# KiCad board Processor Board.kicad_pcb (continued)
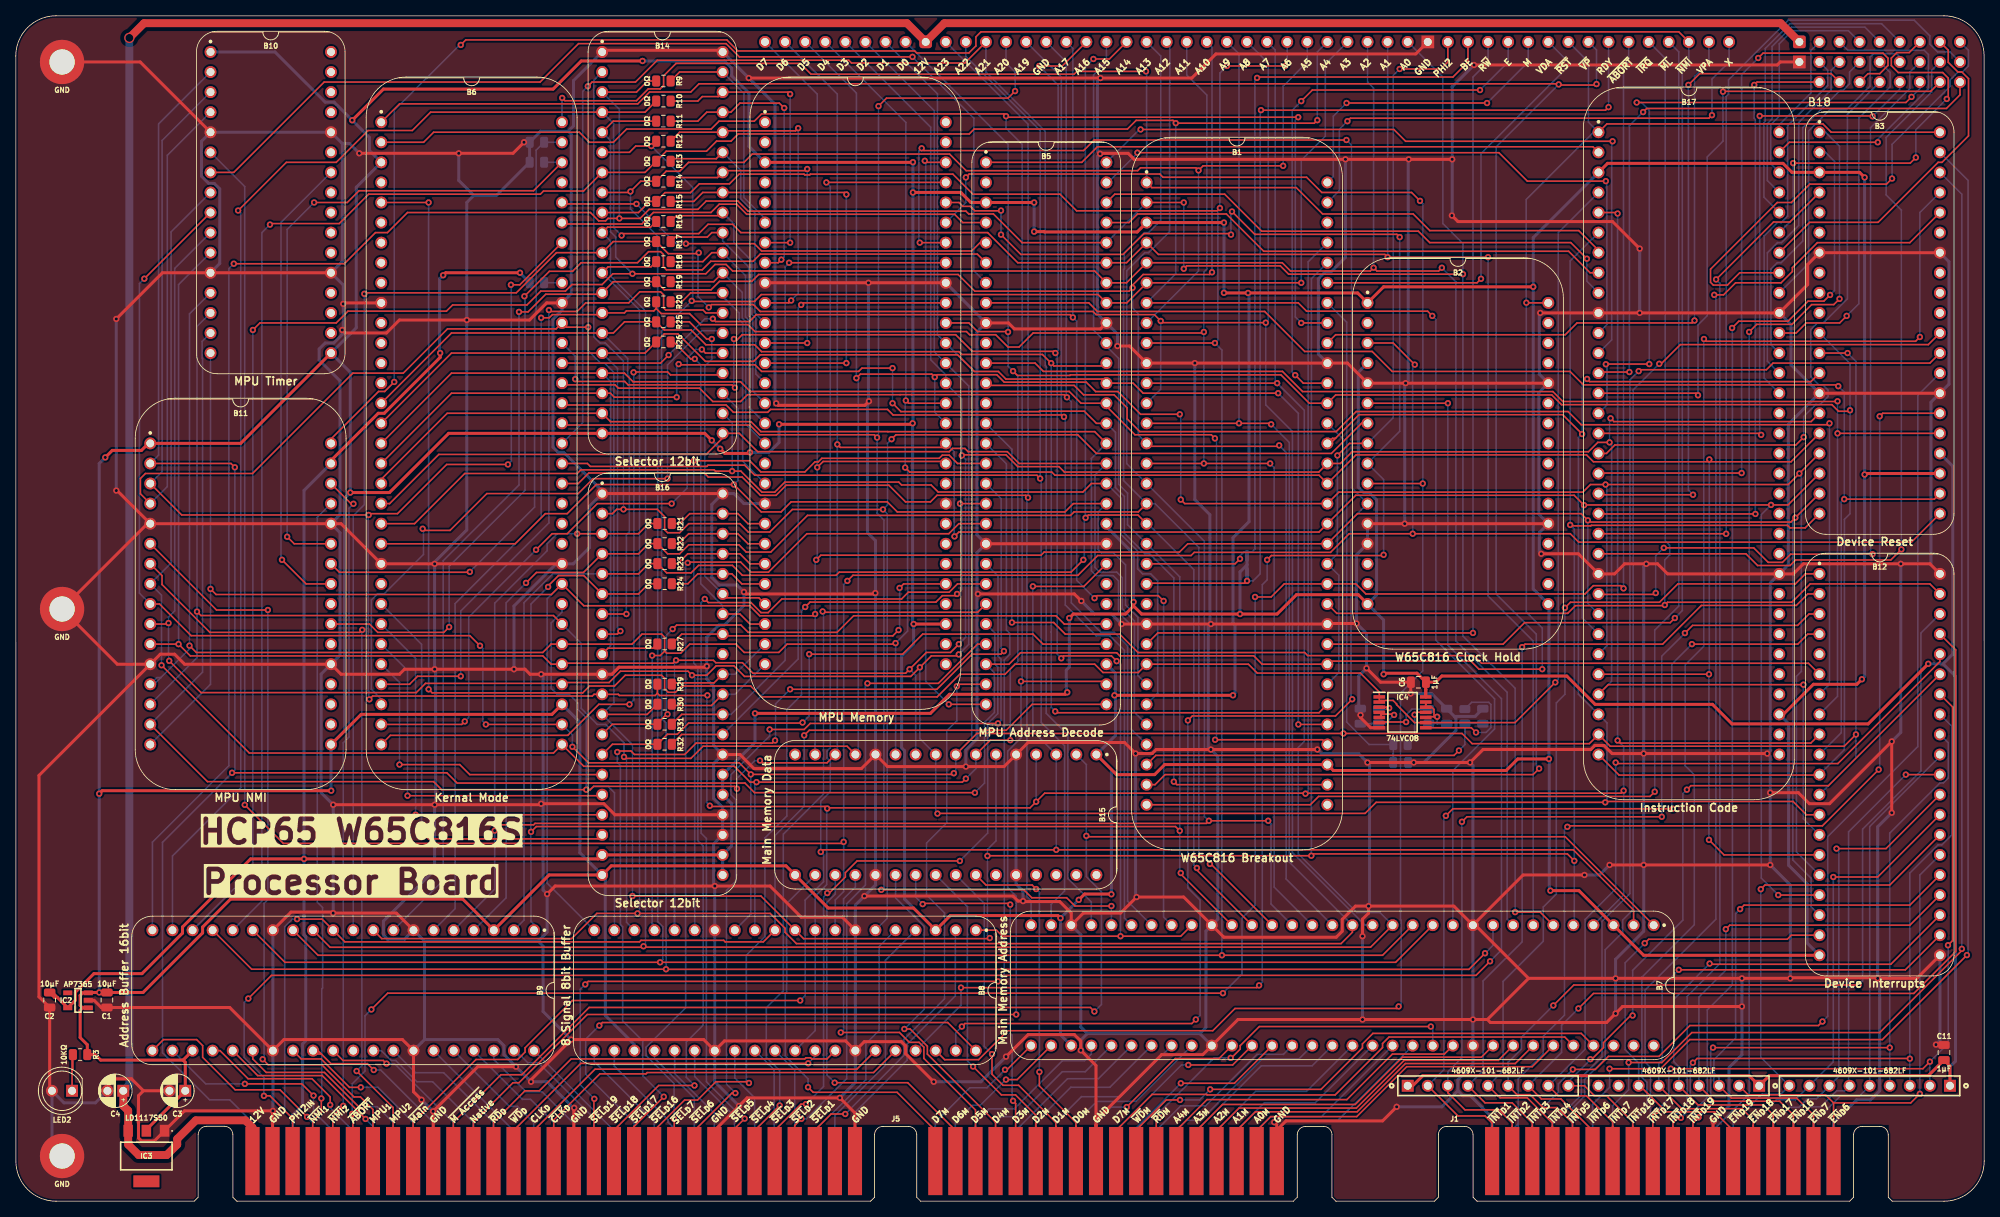
[diagram p0: board, top side]
## Routing (per net, layer and track width the routed paths; a pad name or vN(x,y) marks a point on that pad's centre or on a via; arc(x,y) is an arc through that point) (continued)
D3_{D}: length 13.2
  Bottom w0.2: 90.89,7.91 90.89,10.75 85.85,15.78 B8.26
D3_{M}: length 44.3
  Top w0.2: 126.45,8.73 126.45,12.37 v1(126.12,12.7) ; v1(114.69,37.59) 114.77,37.68 125.62,37.68 v1(125.76,37.53)
  Bottom w0.2: v1(114.69,37.59) 113.8,38.48 B15.23 ; v1(125.76,37.53) 125.76,21.25 125.99,21.02 125.99,12.83 v1(126.12,12.7)
D4_{D}: length 13
  Bottom w0.2: B8.25 83.31,16.16 88.35,11.13 88.35,8.1
D4_{M}: length 41.5
  Top w0.2: 123.91,7.53 123.91,9.99 115.28,18.62 115.28,19.61 113.1,21.79 v1(112.37,21.79)
  Bottom w0.2: v1(112.37,21.79) 114.89,24.31 114.89,34.75 111.26,38.38 B15.22
D5_{D}: length 16.1
  Bottom w0.2: B8.24 80.77,18.09 85.81,13.05 J5.A23
D5_{M}: length 45.9
  Top w0.2: 121.37,8.31 121.37,11.54 114.84,18.07 114.84,19.49 114.23,20.1 113,20.1 111.76,21.35 v1(104.33,21.35)
  Bottom w0.2: v1(104.33,21.35) 104.68,21.7 104.68,38.25 106.18,39.75 B15.20
D6_{D}: length 13
  Bottom w0.2: B8.22 75.69,17.09 82.49,10.29 82.49,9.98 83.27,9.21
D6_{M}: length 44.9
  Top w0.2: 118.83,8.96 112.8,14.99 v1(103.56,14.99)
  Bottom w0.2: B15.19 103.64,38.86 102.57,37.79 102.57,15.99 v1(103.56,14.99)
D7_{D}: length 17.1
  Bottom w0.2: J5.A21 80.73,10.08 73.15,17.66 B8.21
D7_{M}: length 48
  Top w0.2: 116.29,8.94 111.45,13.78 100.84,13.78 v1(100.19,14.43)
  Bottom w0.2: B15.18 97.48,37.65 97.48,26.47 97.31,26.3 97.31,18.36 100.19,15.48 v1(100.19,14.43)
H0_{D}: length 31.3
  Bottom w0.2: 106.13,8.17 106.13,11.26 112.72,17.85 112.72,19.87 118.83,25.99 118.83,34.25
H1_{D}: length 30.6
  Bottom w0.2: B8.4 109.98,30.48 109.98,17.21 103.59,10.82 103.59,7.95
H2_{D}: length 29.6
  Bottom w0.2: 101.05,8.98 103.11,11.04 103.19,11.04 107.5,15.36 107.5,19.92 109.17,21.59 109.17,32.21 B8.5
Kernal: length 4.8
  Bottom w0.2: 35.05,7.52 NT1.1 ; 35.01,9.87 35.01,7.48
MPU0: length 100.6
  Top w0.2: B11.7 18.49,79.16 18.49,78.03 24.55,71.97 43.5,71.97 v1(43.82,72.29) ; v1(43.1,16.47) 47.71,11.86 J5.B8
  Bottom w0.2: v1(43.82,72.29) 43.76,72.24 43.76,17.13 v1(43.1,16.47)
MPU1: length 98.6
  Top w0.2: v1(31.87,74.8) 25.38,74.8 B11.6 ; J5.B7 45.17,11.6 43.58,13.19 42.77,13.19 38.71,17.26 31.92,17.26 v1(31.22,17.96)
  Bottom w0.2: v1(31.22,17.96) 31.4,18.14 31.4,37.69 31.87,38.17 v1(31.87,74.8)
Native Latch: length 353.8
  Top w0.2: v1(162.19,137.16) 125.36,137.16 v1(125.23,137.29) 124.94,137.58 94.32,137.58 93.39,136.65 88.94,136.65 87.94,135.66 77.25,135.66 75.57,133.99 72.54,133.99 71.27,135.26 52.84,135.26 51.57,133.99 B6.2 ; 137.56,65.77 v1(127.12,65.77) ; J5.B12 57.87,9.98 62.87,14.99 63.63,14.99 72.27,23.62 v1(126.52,23.62) ; B1.57 v1(162.57,111.13)
  Bottom w0.2: v1(162.57,111.13) 161.82,111.88 161.82,136.79 v1(162.19,137.16) ; v1(126.52,23.62) 126.52,38.59 125.44,39.67 125.44,56.94 127.12,58.62 v1(127.12,65.77) 127.26,65.91 127.26,133.73 125.23,135.76 v1(125.23,137.29)
~{ABORT}: length 298.4
  Top w0.2: v1(152.66,26.32) 47.03,26.32 v1(44.97,24.26) ; v1(42.55,11.05) 42.63,10.97 J5.B6 ; v1(203.32,77.54) 202.97,77.89 199.51,77.89 198.46,76.84 170.74,76.84 169.47,78.11 B1.44 160.41,78.11 158.76,76.45 v1(156.73,76.45)
  Bottom w0.2: v1(44.97,24.26) 44.16,23.45 44.16,16.47 42.55,14.86 v1(42.55,11.05) ; v1(152.66,26.32) 155.08,28.73 155.08,35.81 156.73,37.47 v1(156.73,76.45) ; B13.44 203.97,144.15 203.32,143.5 v1(203.32,77.54)
~{CLK}_{D}: length 48.2
  Top w0.2: B8.36 108.48,16.27 79.85,16.27 79.69,16.11 73.86,16.11 68.03,10.28 68.03,8.94
~{Device}: length 156.5
  Top w0.2: v1(99.7,58.94) 100.35,59.59 125.25,59.59 128.53,62.87 137.78,62.87 ; B8.11 94.53,32.81 89.72,32.81 89.52,33.01 79.07,33.01 78.88,32.82 41.61,32.82 B9.11 38.73,35.69 v1(35.57,35.69)
  Bottom w0.2: v1(35.57,35.69) 34.96,35.69 34,34.73 34,11.39 32.47,9.86 32.47,9.11 ; B8.11 96.01,46.26 99.7,49.95 v1(99.7,58.94)
~{Enable}_{Device}1: length 56.8
  Bottom w0.2: 243.34,56.29 234.45,47.4 RN8.5 233.16,13.32 230.75,13.32 227.35,9.92 227.35,7.5
~{Enable}_{Device}2: length 58
  Top w0.2: B12.30 v1(239.02,53.98)
  Bottom w0.2: v1(239.02,53.98) 231.78,46.74 231.78,14.73 ; 224.81,7.5 224.81,9.92 226.83,11.94 228.25,11.94 230.29,13.97 231.28,13.97 RN8.6
~{Enable}_{Device}3: length 58
  Top w0.2: v1(230.26,44.62) 236.52,44.62 B12.29
  Bottom w0.2: 222.27,7.5 222.27,9.92 224.23,11.88 225.5,11.88 226.58,12.95 227.72,12.95 RN8.7 230.56,15.79 230.56,44.32 v1(230.26,44.62)
~{Enable}_{Device}4: length 55.9
  Top w0.2: B12.28 235.47,41.02 v1(229.86,41.02)
  Bottom w0.2: v1(229.86,41.02) 229.86,17.63 RN8.8 225.05,12.83 222.64,12.83 219.73,9.92 219.73,7.5
~{Enable}_{Device}5: length 63.3
  Top w0.2: v1(220.68,39.48) 221.21,40.01 236.99,40.01 B12.27
  Bottom w0.2: 217.19,7.5 217.19,9.92 220.83,13.56 223.24,13.56 RN8.9 220.68,18.21 v1(220.68,39.48)
~{Enable}_{Device}6: length 59.2
  Top w0.2: 229.89,12.44 239.65,12.44 v1(240.8,13.59) ; 229.89,12.44 229.89,8.76 ; 229.89,12.44 228.86,13.46 219.08,13.46 RN9.2
  Bottom w0.2: v1(240.8,13.59) 240.8,41.28 B12.26
~{Enable}_{Device}7: length 73
  Top w0.2: 227.35,9.93 J1.33 ; 227.35,9.93 227.35,8.95 ; 227.35,9.93 227.35,10.91 225.21,13.05 216.96,13.05 RN9.3 ; v1(218.07,36.96) 218.58,37.47 239.53,37.47 B12.25
  Bottom w0.2: 214.76,14.61 214.76,16.25 ; 214.76,16.25 215.4,15.61 RN9.3 ; 214.76,16.25 214.76,17.9 217.5,20.64 217.5,36.39 v1(218.07,36.96)
~{Enable}_{Device}16: length 70.4
  Top w0.2: 224.81,9.93 J1.31 ; 224.81,9.93 224.81,10.91 223.07,12.65 214.82,12.65 RN9.4 ; 224.81,9.93 224.81,8.94 ; v1(216.26,34.42) 216.77,34.93 239.53,34.93 B12.24
  Bottom w0.2: v1(216.26,34.42) 216.26,29.23 212.86,25.84 RN9.4
~{Enable}_{Device}17: length 69.6
  Top w0.2: 222.27,9.93 222.27,8.94 ; 222.27,9.93 222.27,10.91 221.01,12.18 212.75,12.18 RN9.5 ; 222.27,9.93 J1.29 ; B12.23 237.13,29.98 214.3,29.98 v1(214.21,30.07)
  Bottom w0.2: RN9.5 210.32,17.02 209.68,17.66 209.68,25.53 v1(214.21,30.07)
~{Enable}_{Device}18: length 70.2
  Top w0.2: 219.73,9.61 219.73,8.94 ; 219.73,9.61 J1.27 ; 219.73,9.61 219.73,10.28 218.3,11.7 210.68,11.7 RN9.6 ; v1(210.31,29.28) 238.96,29.28 B12.22
  Bottom w0.2: RN9.6 207.78,17.44 208.21,17.86 208.21,27.17 v1(210.31,29.28)
~{Enable}_{Device}19: length 56.4
  Top w0.2: B12.19 224.54,33.66 224.04,33.15 206.51,33.15 v1(206,32.64) ; 217.19,8.95 214.83,11.3 208.7,11.3 205.4,14.61
  Bottom w0.2: v1(206,32.64) 203.52,30.16 203.52,19.18 205.24,17.46 RN9.7
~{Interrupt}_{Device}1: length 118.1
  Top w0.2: B12.4 226.63,71.76 225.36,70.49 v1(211.97,70.49) ; 186.71,9.42 J1.1 ; 186.71,9.42 186.71,9.9 185.82,10.79 182.39,10.79 RN7.2 ; 186.71,9.42 186.71,8.95 ; v1(209.56,49.66) 181.75,49.66 v1(180.86,48.77)
  Bottom w0.2: v1(209.56,49.66) 209.43,49.78 209.43,67.95 v1(211.97,70.49) ; RN7.2 180.6,16.64 180.6,48.51 v1(180.86,48.77)
~{Interrupt}_{Device}2: length 118
  Top w0.2: v1(208.16,48.64) 183.52,48.64 v1(182.89,48.01) ; 189.25,9.44 189.25,8.98 ; 189.25,9.44 189.25,9.44 J1.3 ; 189.25,9.44 189.25,9.9 187.59,11.56 183.27,11.56 181.11,13.72 RN7.3 ; B12.3 226.78,74.3 225.34,72.86 212.06,72.86 v1(211.08,71.88)
  Bottom w0.2: v1(211.08,71.88) 208.16,68.96 v1(208.16,48.64) ; v1(182.89,48.01) 182.89,18.16 181.11,16.38 RN7.3
~{Interrupt}_{Device}3: length 114.1
  Top w0.2: v1(190.5,70.1) 190.88,70.49 208.27,70.49 213.17,75.38 225.17,75.38 226.63,76.84 B12.2 ; RN7.4 185.81,12.45 189.24,12.45 191.79,9.9 191.79,9.42 ; 191.79,9.42 J1.5 ; 191.79,9.42 191.79,8.94
  Bottom w0.2: v1(190.5,70.1) 190.5,32.8 185.56,27.87 185.56,16.52 RN7.4
~{Interrupt}_{Device}4: length 113.9
  Top w0.2: 194.33,9.41 194.33,9.9 191.14,13.08 187.71,13.08 RN7.5 ; 194.33,9.41 J1.7 ; 194.33,9.41 194.33,8.93 ; v1(195.92,75.08) 196.62,75.78 207.87,75.78 210.19,78.11 225.05,78.11 226.32,79.38 B12.1
  Bottom w0.2: RN7.5 188.09,16.5 188.09,27.81 193.18,32.89 193.18,37.22 194.83,38.88 194.83,63.05 195.92,64.14 v1(195.92,75.08)
~{Interrupt}_{Device}5: length 115.9
  Top w0.2: v1(233.05,27.35) 197.03,27.35 v1(194.45,24.77) ; RN7.6 189.85,13.48 191.51,13.48 193.14,11.85 194.92,11.85 196.87,9.9 196.87,7.49
  Bottom w0.2: B12.38 240.94,71.9 240.94,54.45 233.56,47.07 233.56,27.86 v1(233.05,27.35) ; RN7.6 188.73,17.57 190.41,19.25 190.41,20.73 v1(194.45,24.77)
~{Interrupt}_{Device}6: length 114.6
  Top w0.2: RN7.7 192.94,12.94 195.41,12.94 199.41,8.94 ; B12.37 245.33,69.76 245.33,31.59 240.03,26.29 199.53,26.29 v1(197.62,24.38)
  Bottom w0.2: v1(197.62,24.38) 195.49,22.25 195.49,18.83 RN7.7
~{Interrupt}_{Device}7: length 108
  Top w0.2: 201.95,9.49 201.95,10.02 198.64,13.34 195.08,13.34 RN7.8 ; 201.95,9.49 201.95,9.49 J1.13 ; 201.95,9.49 201.95,8.95 ; B12.36 243.34,68.28 230.43,55.37 202.46,55.37 v1(202.33,55.5)
  Bottom w0.2: 193.85,14.61 194.36,15.12 ; 194.36,15.12 198.46,19.22 198.46,35.64 202.33,39.51 v1(202.33,55.5) ; 194.36,15.12 194.33,15.12 RN7.8
~{Interrupt}_{Device}16: length 97
  Top w0.2: RN7.9 198.38,14.61 199.65,13.34 201.18,13.34 204.49,10.02 204.49,9.49 ; 204.49,8.95 204.49,9.49 ; 204.49,9.48 J1.15 ; v1(204.48,23.5) 204.22,23.5 200.79,20.06 200.79,19.44 199.32,17.97 v1(199.13,17.97) ; B12.35 229.24,52.58 211.84,52.58 v1(211.34,52.07)
  Bottom w0.2: v1(204.48,23.5) 204.48,29.21 210.83,35.56 210.83,51.56 v1(211.34,52.07) ; v1(199.13,17.97) 199.13,17.91 196.35,15.12
~{Interrupt}_{Device}17: length 94.2
  Top w0.2: B12.34 244.93,62.54 244.93,32.96 v1(244.36,32.39) ; v1(209.3,16.76) 241.18,16.76 v1(242.07,17.65) ; 207.03,8.01 207.03,10.94 v1(207.51,11.43)
  Bottom w0.2: v1(207.51,11.43) 209.05,12.97 209.05,16.51 v1(209.3,16.76) ; RN8.2 v1(242.07,17.65) 244.39,19.97 244.39,32.35 v1(244.36,32.39)
~{Interrupt}_{Device}18: length 92
  Top w0.2: 209.57,9.42 209.57,9.92 210.19,10.54 v1(210.57,10.54) ; 209.57,9.42 209.57,8.93 ; 209.57,9.42 J1.19 ; v1(239.53,18.03) 239.5,18.06 212.63,18.06 v1(212.1,17.53)
  Bottom w0.2: v1(210.57,10.54) 211.77,11.74 211.77,17.2 v1(212.1,17.53) ; RN8.3 v1(239.53,18.03) 239.53,41.51 243.1,45.09 243.59,45.09 244.82,46.32 244.82,60.12 B12.33
~{Interrupt}_{Device}19: length 83.6
  Top w0.2: v1(236.99,19.43) v1(214.64,19.43) ; 212.11,7.49 212.11,9.9 v1(212.81,10.6)
  Bottom w0.2: v1(212.81,10.6) 214.35,12.15 214.35,19.14 v1(214.64,19.43) ; RN8.4 v1(236.99,19.43) 236.99,46.57 243.34,52.92 243.78,52.92 244.4,53.55 244.4,57.99 B12.32
~{Main Access}: length 198.9
  Top w0.2: B7.1 195.95,46.11 135.51,46.11 v1(135.39,46.23) ; v1(136.41,24) 135.9,24.51 72.5,24.51 64,16 61.35,16 55.33,9.98 55.33,8.99
  Bottom w0.2: v1(136.41,24) 137.3,24.89 137.3,39.16 135.39,41.06 v1(135.39,46.23) 135.39,55.25 B15.2
~{Main}: length 330.7
  Top w0.2: v1(99.2,25.39) 70.39,25.39 64.4,19.41 64.4,18.86 63.47,17.93 58.2,17.93 50.25,9.98 50.25,8.97 ; v1(128.62,77.79) 135.08,77.79 B5.36 ; v1(101.8,44.2) 102.07,44.46 v1(131.58,44.46) 196.97,44.46 204.6,36.84 B7.2 ; B4.53 v1(102.51,128.91)
  Bottom w0.2: v1(131.58,44.46) B15.3 128.62,59.47 v1(128.62,77.79) ; v1(99.2,25.39) 99.82,26.02 99.82,38.09 102.15,40.42 102.15,43.85 v1(101.8,44.2) 101.8,50.61 103,51.82 103,55.67 102.59,56.08 102.59,56.95 103,57.36 103,128.41 v1(102.51,128.91)
~{NMI}_{1}: length 80.8
  Top w0.2: 37.55,8.98 37.55,10.11 38.64,11.2 v1(38.64,13)
  Bottom w0.2: B11.29 38.13,86.53 38.13,37.83 38.8,37.16 38.8,26.98 38.69,26.88 38.69,13.06 v1(38.64,13)
~{NMI}_{2}: length 88
  Top w0.2: J5.B5 40.09,10.74 v1(41.41,12.07) ; v1(42.7,88.24) 42.41,88.24 39.94,90.71
  Bottom w0.2: v1(41.41,12.07) 41.41,58.01 42.14,58.73 42.14,87.68 v1(42.7,88.24)
~{RD}_{D}: length 48.1
  Top w0.2: B8.33 102.58,18 100.65,18 100.5,18.15 99.92,18.15 99.78,18 70.24,18 66.21,13.97 64.4,13.97 60.41,9.98 60.41,8.94
~{RD}_{M}: length 63.5
  Top w0.2: B7.60 195.89,20.77 173.67,20.77 172.85,19.95 172.85,19.44 166.85,13.45 150.68,13.45 150.61,13.51 143.7,13.51 139.15,8.96
~{Reset}: length 473.4
  Top w0.2: 166.26,68.33 184.03,68.33 185.04,67.32 v1(193.05,67.32) ; B1.40 157.62,67.95 156.55,69.01 139.61,69.01 139.22,69.4 127.06,69.4 125.61,67.95 B5.26 ; v1(121.29,51.69) 93.43,51.69 92.21,52.91 55.81,52.91 54.52,54.21 v1(27.35,54.21) ; v1(191.03,113.68) 191.05,113.67 B2.32 ; v1(27.7,92.86) 27.21,93.35 B11.2 ; B17.1 201.21,136.31 228.54,136.31 229.59,135.26 B3.40
  Bottom w0.2: v1(27.7,92.86) 27.7,54.56 v1(27.35,54.21) 18.55,45.41 18.55,18.78 24.5,12.83 27.06,12.83 29.93,9.96 29.93,9.08 ; 199.53,135.26 191.02,126.75 191.02,113.7 v1(191.03,113.68) 191.03,74.53 193.05,72.52 v1(193.05,67.32) ; B5.26 123.77,66.87 123.77,61.84 122.51,60.58 122.51,52.91 v1(121.29,51.69) ; B10.2 18.06,136.31 18.06,94.4 B11.2 ; B13.41 198.89,144.15 198.89,136.53 199.84,135.57
~{Reset}_{Device}1: length 138.6
  Top w0.2: v1(219.21,109.98) 220.17,110.95 224.62,110.95 227.12,113.45 229.91,113.45 v1(230.64,114.17)
  Bottom w0.2: v1(230.64,114.17) 230.64,133.48 228.86,135.26 B3.1 ; 214.65,8.99 219.21,13.55 v1(219.21,109.98)
~{Reset}_{Device}2: length 138.6
  Top w0.2: v1(217.05,110.49) 217.91,111.35 224.13,111.35 226.67,113.89 228.66,113.89 v1(229.45,114.67)
  Bottom w0.2: v1(217.05,110.49) 217.09,110.45 217.09,27.38 213.91,24.2 213.91,13.12 212.11,11.31 212.11,7.59 ; v1(229.45,114.67) 230.01,115.23 230.01,131.57 228.86,132.72 B3.2
~{Reset}_{Device}3: length 129.1
  Top w0.2: B3.4 224.36,123.89 222.3,123.89 v1(215.03,116.63)
  Bottom w0.2: v1(215.03,116.63) 215.51,116.15 215.51,30.06 211.37,25.92 211.37,12.4 209.57,10.6 209.57,7.84
~{Reset}_{Device}4: length 144.4
  Top w0.2: B3.36 239.53,121.29 227.84,121.29 224.68,118.12 224.68,117.63 223.25,116.21 217.5,116.21 215.97,114.68 v1(214.8,114.68)
  Bottom w0.2: 207.03,7.58 207.03,10.07 206.73,10.37 206.73,16.93 206.05,17.61 206.05,26.72 215.01,35.68 215.01,114.47 v1(214.8,114.68)
~{Reset}_{Device}5: length 153.7
  Top w0.2: v1(213.5,109.09) 213.78,108.81 240.26,108.81 v1(240.8,109.35)
  Bottom w0.2: B3.37 240.8,125.1 v1(240.8,109.35) ; 204.49,7.63 204.49,10.17 206.29,11.97 206.29,15.04 205.65,15.68 205.65,28.35 212.27,34.98 212.27,53.95 211.12,55.1 211.12,67.85 213.47,70.21 213.47,109.07 v1(213.5,109.09)
~{Reset}_{Device}6: length 157.4
  Top w0.2: v1(203.97,17.54) 208.17,17.54 211.97,21.34 235.72,21.34 246.11,31.72 v1(246.11,31.93)
  Bottom w0.2: v1(203.97,17.54) 203.97,14.1 201.95,12.08 201.95,8.58 ; v1(246.11,31.93) 246.11,127.41 B3.38
~{Reset}_{Device}7: length 163.2
  Top w0.2: v1(201.56,16.76) 208.02,16.76 211.7,20.45 236.06,20.45 v1(246.75,31.14)
  Bottom w0.2: v1(246.75,31.14) 246.9,31.29 246.9,129.16 B3.39 ; v1(201.56,16.76) 201.56,14.39 199.41,12.25 199.41,8.66
~{Reset}_{Device}16: length 139.2
  Top w0.2: B3.30 241.87,108.38 210.51,108.38 208.08,105.96 v1(207.84,105.96)
  Bottom w0.2: 196.87,8.42 196.87,11.76 198.4,13.29 198.4,15.4 201,18 201,31.82 203.22,34.04 203.22,35.57 204.54,36.89 204.54,102.65 v1(207.84,105.96)
~{Reset}_{Device}17: length 141.2
  Top w0.2: B3.29 242.07,106.05 222.24,106.05 221.39,105.2 205.41,105.2 v1(205.24,105.03)
  Bottom w0.2: v1(205.24,105.03) 204.14,103.93 204.14,38.94 200.6,35.4 200.6,18.28 198,15.68 198,13.46 194.33,9.79 194.33,7.43
~{Reset}_{Device}18: length 133.3
  Top w0.2: v1(196.91,16.67) 199.76,16.67 201.41,18.33 207.82,18.33 211.72,22.23 227.97,22.23 v1(228.48,22.73)
  Bottom w0.2: v1(196.91,16.67) 195.08,14.84 195.08,13.78 191.79,10.49 191.79,7.78 ; B3.28 240.54,101.97 240.54,57.53 229.15,46.14 229.15,23.4 v1(228.48,22.73)
~{Reset}_{Device}19: length 140.1
  Top w0.2: v1(196.22,47.37) 196.35,47.5 228.48,47.5 v1(235.59,54.61) ; v1(235.72,99.31) 236.1,99.7 B3.26
  Bottom w0.2: v1(235.59,54.61) 235.72,54.74 v1(235.72,99.31) ; v1(196.22,47.37) 195.85,47 195.85,23.54 193.17,20.85 193.17,18.64 190,15.47 190,9.79 ; 190,9.79 189.25,9.04 ; 190,9.79 190,5.83
~{Select}_{Device}1: length 70.3
  Top w0.2: B5.27 119.26,65.41 v1(119.01,65.15) ; v1(104.9,11.04) 103.11,11.04 101.05,8.98
  Bottom w0.2: v1(104.9,11.04) 112.31,18.45 112.31,20.47 117.45,25.61 117.45,36.48 115.18,38.75 115.18,45.32 117.74,47.88 117.74,59.52 119.01,60.79 v1(119.01,65.15)
~{Select}_{Device}2: length 79.4
  Top w0.2: v1(107.7,65.53) 116.67,65.53 121.63,70.49 B5.25 ; v1(99.35,10.43) 98.51,9.59 98.51,7.33
  Bottom w0.2: v1(99.35,10.43) 99.99,10.43 105.08,15.52 105.08,37.64 107.45,40.01 107.45,65.27 v1(107.7,65.53)
~{Select}_{Device}3: length 84.5
  Top w0.2: v1(102.62,38.99) 102.88,38.99 104.91,41.02 104.91,41.56 106.4,43.05 v1(119.39,43.05) ; v1(99.92,12.28) 99.3,12.28 95.97,8.95
  Bottom w0.2: B5.24 123.81,71.9 123.81,67.96 124.19,67.59 124.19,61.7 122.91,60.42 122.91,46.58 v1(119.39,43.05) ; v1(99.92,12.28) 102.16,14.51 102.16,38.52 v1(102.62,38.99)
~{Select}_{Device}4: length 91.9
  Top w0.2: 93.43,8.94 v1(96.6,12.11) ; v1(102.04,74.62) 102.14,74.52 121.64,74.52 B5.23
  Bottom w0.2: v1(102.04,74.62) 102.15,74.51 102.15,51.53 97.07,46.45 97.07,26.63 94.92,24.48 94.92,18.21 96.6,16.53 v1(96.6,12.11)
~{Select}_{Device}5: length 107.9
  Top w0.2: 90.89,9.16 v1(92.17,10.45) ; B5.22 119.09,78.11 118.04,77.06 112.88,77.06 112.02,76.2 96.87,76.2 95.14,74.48 94.25,74.48 92.98,75.75 87.58,75.75 v1(87.13,76.2)
  Bottom w0.2: v1(92.17,10.45) 92,10.45 87.34,15.12 87.34,45.89 86.66,46.57 86.66,75.73 v1(87.13,76.2)
~{Select}_{Device}6: length 106.7
  Top w0.2: 85.81,8.93 90.56,13.68 v1(91,13.68) ; v1(124.21,60.45) 100.47,60.45 99.7,59.69 v1(95.33,59.69)
  Bottom w0.2: B5.21 124.21,79.12 124.21,68.96 124.59,68.58 124.59,60.83 v1(124.21,60.45) ; v1(91,13.68) 89.88,14.8 89.88,39.32 91.04,40.49 91.04,50.83 90.44,51.42 90.44,53.97 95.33,58.85 v1(95.33,59.69)
~{Select}_{Device}7: length 120.2
  Top w0.2: v1(84.97,80.77) 85.06,80.87 91.67,80.87 92.94,79.6 95.18,79.6 100.04,84.46 117.99,84.46 119.26,85.73 B5.19 ; J5.B22 83.27,10.39 v1(83.25,10.42)
  Bottom w0.2: v1(83.25,10.42) 83.25,14.88 79.7,18.42 79.7,19.48 84.71,24.48 84.71,80.51 v1(84.97,80.77)
~{Select}_{Device}16: length 113
  Top w0.2: v1(92.72,14.96) 92.56,15.11 88.53,15.11 86.21,12.8 84.58,12.8 80.73,8.95 ; B5.18 v1(119.41,88.27) ; v1(99.83,75.18) 100.45,75.8 116.36,75.8 117.18,76.62 118.82,76.62 v1(119.04,76.83)
  Bottom w0.2: v1(99.83,75.18) 99.36,74.71 99.36,64.05 97.51,62.2 97.51,48.74 94.74,45.97 94.74,33.46 92.4,31.12 92.4,15.28 v1(92.72,14.96) ; v1(119.41,88.27) 119.65,88.03 119.65,77.45 v1(119.04,76.83)
~{Select}_{Device}17: length 135.1
  Top w0.2: v1(97.93,64.77) 116.49,64.77 120.93,69.22 124.58,69.22 v1(124.96,69.6) ; v1(76.07,56.83) 76.2,56.97 77.79,56.97 78.23,56.53 84.6,56.53 86.04,57.97 95.69,57.97 v1(96.02,58.29) ; v1(81.94,13.22) 78.19,9.47 J5.B20
  Bottom w0.2: v1(76.07,56.83) 76.07,55.51 76.46,55.12 76.46,35.01 76.74,34.73 76.74,22.81 79.28,20.27 79.28,15.88 v1(81.94,13.22) ; v1(124.96,69.6) 124.61,69.95 124.61,88.88 B5.17 ; v1(97.93,64.77) 96.08,62.93 96.08,58.36 v1(96.02,58.29)
~{Select}_{Device}18: length 132.2
  Top w0.2: B5.16 119.09,93.35 118.04,94.4 117.18,94.4 116.78,94 101.94,94 101.49,93.55 101.06,93.55 99.79,92.27 94.22,92.27 92.81,93.69 v1(85.73,93.69) ; v1(85.83,14.64) 81.3,14.64 75.65,8.99
  Bottom w0.2: v1(85.73,93.69) 85.73,68.07 86.26,67.54 86.26,45.59 86.92,44.94 86.92,22.27 84.8,20.14 84.8,15.67 v1(85.83,14.64)
~{Select}_{Device}19: length 145.7
  Top w0.2: v1(73.16,12.95) 73.11,12.9 J5.B18 ; v1(72.02,27.43) 72.4,27.81 v1(124.21,27.81)
  Bottom w0.2: B5.15 125.27,93.3 125.27,72.26 125.71,71.82 125.71,69.19 125.01,68.49 125.01,28.61 v1(124.21,27.81) ; v1(72.02,27.43) 71.38,26.8 71.38,14.73 v1(73.16,12.95)
~{WD}_{D}: length 42.8
  Top w0.2: 62.95,8.94 71.45,17.44 v1(100.21,17.44)
  Bottom w0.2: v1(100.21,17.44) 101.09,18.32 B8.32
~{WD}_{M}: length 63.8
  Top w0.2: 141.69,9.01 145.5,12.81 v1(147.23,12.81) ; 199.52,19.69 197.97,21.23 171.63,21.23 170.31,19.91 170.31,19.4 165.06,14.15 v1(151.05,14.15)
  Bottom w0.2: v1(151.05,14.15) 149.71,12.81 v1(147.23,12.81)
Net-(IC4-1Y): length 2.7
  Top w0.2: IC4.3 173.57,62.51 v1(173.68,62.4)
  Bottom w0.2: v1(173.68,62.4) 173.55,62.26 R1.2
Net-(IC4-2Y): length 7.4
  Top w0.2: 172.51,60.63 v1(175.83,60.63)
  Bottom w0.2: v1(175.83,60.63) 175.83,61.51 176.58,62.26 178.68,62.26
Net-(IC4-3Y): length 15.4
  Top w0.2: IC4.8 184.07,59.91 v1(184.67,59.31)
  Bottom w0.2: v1(184.67,59.31) 185.93,59.31 186.56,59.94 186.56,62.84 186.28,63.12 184.11,63.12 R4.2
Net-(IC4-4Y): length 5.7
  Top w0.2: v1(176.9,61.56) 177.2,61.86 IC4.11
  Bottom w0.2: v1(176.9,61.56) 176.9,58.66 R5.2
Net-(LED2-K): length 6.4
  Top w0.2: 7.11,16.63 7.11,18.45 ; 7.11,16.63 LED2.1 ; 7.11,16.63 7.22,16.74 R3.1

## Copper pours and planes (outline as drawn; the poured copper is in the pictures)
GND on Top, Bottom: 236.86,-0.51 236.86,9.65 179.84,9.65 179.84,-0.51 166.37,-0.51 166.37,9.67 23.11,9.67 23.11,-0.51 -0.51,-0.51 -0.51,150.37 249.17,150.5 249.17,-0.89

## Text on the board
B.Silkscreen: ~{Reset} | ~{INT}_{D}7 | ~{Device} | Kernal | A0_{D} | A1_{D} | A2_{D} | A3_{D} | A4_{D} | A5_{D} | A6_{D} | A7_{D} | A8_{D} | A9_{D} | A10_{D} | A11_{D} | A12_{D} | A13_{D} | A14_{D} | A15_{D} | A16_{D} | D7_{D} | D6_{D} | D5_{D} | D4_{D} | D3_{D} | D2_{D} | D1_{D} | D0_{D} | H2_{D} | H1_{D} | H0_{D} | A23_{M} | A22_{M} | A21_{M} | A20_{M} | A19_{M} | A18_{M} | A17_{M} | A16_{M} | A15_{M} | A14_{M} | A13_{M} | A12_{M} | A11_{M} | A10_{M} | A9_{M} | A8_{M} | A7_{M} | A6_{M} | GND | ~{RST}_{D}19 | ~{RST}_{D}18 | ~{RST}_{D}17 | ~{RST}_{D}16 | ~{RST}_{D}7 | ~{INT}_{D}5 | ~{RST}_{D}4 | ~{RST}_{D}3 | ~{RST}_{D}2 | ~{RST}_{D}1 | ~{EN}_{D}5 | ~{EN}_{D}4 | ~{EN}_{D}3 | ~{EN}_{D}2 | ~{EN}_{D}1
F.Silkscreen: 12V | GND | PHI2_{IN} | ~{NMI}_{1} | ~{NMI}_{2} | ~{ABORT} | MPU_{1} | MPU_{2} | ~{Main} | ~{M Access} | Native | ~{RD}_{D} | ~{WD}_{D} | CLK_{D} | ~{CLK}_{D} | ~{SEL}_{D}19 | ~{SEL}_{D}18 | ~{SEL}_{D}17 | ~{SEL}_{D}16 | ~{SEL}_{D}7 | ~{SEL}_{D}6 | ~{SEL}_{D}5 | ~{SEL}_{D}4 | ~{SEL}_{D}3 | ~{SEL}_{D}2 | ~{SEL}_{D}1 | D7_{M} | D6_{M} | D5_{M} | D4_{M} | D3_{M} | D2_{M} | D1_{M} | D0_{M} | ~{WD}_{M} | ~{RD}_{M} | A4_{M} | A3_{M} | A2_{M} | A1_{M} | A0_{M} | ~{INT}_{D}1 | ~{INT}_{D}2 | ~{INT}_{D}3 | ~{INT}_{D}4 | ~{INT}_{D}5 | ~{INT}_{D}6 | ~{INT}_{D}7 | ~{INT}_{D}16 | ~{INT}_{D}17 | ~{INT}_{D}18 | ~{INT}_{D}19 | ~{EN}_{D}19 | ~{EN}_{D}18 | ~{EN}_{D}17 | ~{EN}_{D}16 | ~{EN}_{D}7 | ~{EN}_{D}6 | D7 | D6 | D5 | D4 | D3 | D2 | D1 | D0 | A23 | A22 | A21 | A20 | A19 | A17 | A16 | A15 | A14 | A13 | A12 | A11 | A10 | A9 | A8 | A7 | A6 | A5 | A4 | A3 | A2 | A1 | A0 | PHI2 | BE | R~{W} | E | M | VDA | ~{RST} | ~{VP} | RDY | ~{IRQ} | ~{ML} | ~{NMI} | VPA | X | Processor Board | HCP65 W65C816S
